# KiCad board poly_kb_molecule_16x5.kicad_pcb (continued)
## Routing (per net, layer and track width the routed paths; a pad name or vN(x,y) marks a point on that pad's centre or on a via; arc(x,y) is an arc through that point) (continued)
/Keyboard/sheet605ED2EB/RESET: length 2074.8
  Top w0.254: v1(82.22,9.16) 82.02,9.36 80.19,9.36 80.1,9.27 77.47,9.27 J3#17.5 ; v1(160.25,11) 160.67,10.57 v1(162.83,10.57) 163.26,10.14 168.18,10.14 168.48,10.44 168.58,10.44 168.63,10.49 169.21,10.49 170.18,9.53 ; J3#51.5 134.62,85.47 137.25,85.47 137.34,85.56 139.17,85.56 v1(139.37,85.36) ; v1(291.77,66.31) 291.57,66.51 289.74,66.51 289.65,66.42 287.02,66.42 J3#75.5 ; 284.48,9.53 283.51,10.49 282.93,10.49 282.88,10.44 282.78,10.44 282.48,10.14 277.56,10.14 v1(277.13,10.57) 274.97,10.57 v1(274.55,11) ; 17.78,66.67 16.81,67.64 16.23,67.64 16.18,67.59 16.08,67.59 15.78,67.29 10.86,67.29 v1(10.43,67.72) 8.27,67.72 v1(7.85,68.15) ; J3#39.5 210.82,66.42 213.45,66.42 213.54,66.51 215.37,66.51 v1(215.57,66.31) ; v1(26.9,30.05) 27.32,29.62 v1(29.48,29.62) 29.91,29.19 34.83,29.19 35.13,29.49 35.23,29.49 35.28,29.54 35.86,29.54 36.83,28.58 ; J3#68.5 172.72,85.47 175.35,85.47 175.44,85.56 177.27,85.56 v1(177.47,85.36) ; v1(274.55,87.2) 274.97,86.77 v1(277.13,86.77) 277.56,86.34 282.48,86.34 282.78,86.64 282.88,86.64 282.93,86.69 283.51,86.69 284.48,85.72 ; v1(196.52,47.26) 196.32,47.46 194.49,47.46 194.4,47.37 191.77,47.37 J3#24.5 ; J3#58.5 39.37,28.32 42,28.32 42.09,28.41 43.92,28.41 v1(44.12,28.21) ; J3#20.5 1.27,47.37 3.9,47.37 3.99,47.46 5.82,47.46 v1(6.02,47.26) ; J3#52.5 58.42,9.27 61.05,9.27 61.14,9.36 62.97,9.36 v1(63.17,9.16) ; 265.43,85.72 264.46,86.69 263.88,86.69 263.83,86.64 263.73,86.64 263.43,86.34 258.51,86.34 v1(258.08,86.77) 255.92,86.77 v1(255.5,87.2) ; v1(101.27,66.31) 101.07,66.51 99.24,66.51 99.15,66.42 96.52,66.42 J3#74.5 ; v1(122.15,11) 122.57,10.57 v1(124.73,10.57) 125.16,10.14 130.08,10.14 130.38,10.44 130.48,10.44 130.53,10.49 131.11,10.49 132.08,9.53 ; v1(65,30.05) 65.42,29.62 v1(67.58,29.62) 68.01,29.19 72.93,29.19 73.23,29.49 73.33,29.49 73.38,29.54 73.96,29.54 74.93,28.58 ; v1(6.02,28.21) 5.82,28.41 3.99,28.41 3.9,28.32 1.27,28.32 J3#57.5 ; J3#4.5 287.02,28.32 289.65,28.32 289.74,28.41 291.57,28.41 v1(291.77,28.21) ; v1(141.2,30.05) 141.62,29.62 v1(143.78,29.62) 144.21,29.19 149.13,29.19 149.43,29.49 149.53,29.49 149.58,29.54 150.16,29.54 151.13,28.58 ; 227.33,28.58 226.36,29.54 225.78,29.54 225.73,29.49 225.63,29.49 225.33,29.19 220.41,29.19 v1(219.98,29.62) 217.82,29.62 v1(217.4,30.05) ; J3#72.5 248.92,66.42 251.55,66.42 251.64,66.51 253.47,66.51 v1(253.67,66.31) ; 189.23,9.53 188.26,10.49 187.68,10.49 187.63,10.44 187.53,10.44 187.23,10.14 182.31,10.14 v1(181.88,10.57) 179.72,10.57 v1(179.3,11) ; v1(25.07,85.36) 24.87,85.56 23.04,85.56 22.95,85.47 20.32,85.47 J3#40.5 ; v1(198.35,30.05) 198.77,29.62 v1(200.93,29.62) 201.36,29.19 206.28,29.19 206.58,29.49 206.68,29.49 206.73,29.54 207.31,29.54 208.28,28.58 ; v1(160.25,68.15) 160.67,67.72 v1(162.83,67.72) 163.26,67.29 168.18,67.29 168.48,67.59 168.58,67.59 168.63,67.64 169.21,67.64 170.18,66.67 ; v1(84.05,49.1) 84.47,48.67 v1(86.63,48.67) 87.06,48.24 91.98,48.24 92.28,48.54 92.38,48.54 92.43,48.59 93.01,48.59 93.98,47.62 ; v1(272.72,66.31) 272.52,66.51 270.69,66.51 270.6,66.42 267.97,66.42 J3#60.5 ; v1(120.32,66.31) 120.12,66.51 118.29,66.51 118.2,66.42 115.57,66.42 J3#2.5 ; J3#62.5 287.02,85.47 289.65,85.47 289.74,85.56 291.57,85.56 v1(291.77,85.36) ; v1(120.32,9.16) 120.12,9.36 118.29,9.36 118.2,9.27 115.57,9.27 J3#25.5 ; 208.28,66.67 207.31,67.64 206.73,67.64 206.68,67.59 206.58,67.59 206.28,67.29 201.36,67.29 v1(200.93,67.72) 198.77,67.72 v1(198.35,68.15) ; J3#29.5 1.27,9.27 3.9,9.27 3.99,9.36 5.82,9.36 v1(6.02,9.16) ; J3#7.5 115.57,47.37 118.2,47.37 118.29,47.46 120.12,47.46 v1(120.32,47.26) ; 132.08,85.72 131.11,86.69 130.53,86.69 130.48,86.64 130.38,86.64 130.08,86.34 125.16,86.34 v1(124.73,86.77) 122.57,86.77 v1(122.15,87.2) ; J3#63.5 191.77,28.32 194.4,28.32 194.49,28.41 196.32,28.41 v1(196.52,28.21) ; 113.03,85.72 112.06,86.69 111.48,86.69 111.43,86.64 111.33,86.64 111.03,86.34 106.11,86.34 v1(105.68,86.77) 103.52,86.77 v1(103.1,87.2) ; v1(44.12,9.16) 43.92,9.36 42.09,9.36 42,9.27 39.37,9.27 J3#9.5 ; 246.38,28.58 245.41,29.54 244.83,29.54 244.78,29.49 244.68,29.49 244.38,29.19 239.46,29.19 v1(239.03,29.62) 236.87,29.62 v1(236.45,30.05) ; v1(25.07,28.21) 24.87,28.41 23.04,28.41 22.95,28.32 20.32,28.32 J3#28.5 ; 170.18,85.72 169.21,86.69 168.63,86.69 168.58,86.64 168.48,86.64 168.18,86.34 163.26,86.34 v1(162.83,86.77) 160.67,86.77 v1(160.25,87.2) ; J3#42.5 96.52,28.32 99.15,28.32 99.24,28.41 101.07,28.41 v1(101.27,28.21) ; J3#16.5 191.77,9.27 194.4,9.27 194.49,9.36 196.32,9.36 v1(196.52,9.16) ; v1(291.77,47.26) 291.57,47.46 289.74,47.46 289.65,47.37 287.02,47.37 J3#33.5 ; 170.18,47.62 169.21,48.59 168.63,48.59 168.58,48.54 168.48,48.54 168.18,48.24 163.26,48.24 v1(162.83,48.67) 160.67,48.67 v1(160.25,49.1) ; 227.33,9.53 226.36,10.49 225.78,10.49 225.73,10.44 225.63,10.44 225.33,10.14 220.41,10.14 v1(219.98,10.57) 217.82,10.57 v1(217.4,11) ; v1(63.17,66.31) 62.97,66.51 61.14,66.51 61.05,66.42 58.42,66.42 J3#21.5 ; v1(45.95,30.05) 46.37,29.62 v1(48.53,29.62) 48.96,29.19 53.88,29.19 54.18,29.49 54.28,29.49 54.33,29.54 54.91,29.54 55.88,28.58 ; v1(120.32,85.36) 120.12,85.56 118.29,85.56 118.2,85.47 115.57,85.47 J3#65.5 ; v1(84.05,87.2) 84.47,86.77 v1(86.63,86.77) 87.06,86.34 91.98,86.34 92.28,86.64 92.38,86.64 92.43,86.69 93.01,86.69 93.98,85.72 ; v1(274.55,30.05) 274.97,29.62 v1(277.13,29.62) 277.56,29.19 282.48,29.19 282.78,29.49 282.88,29.49 282.93,29.54 283.51,29.54 284.48,28.58 ; v1(179.3,49.1) 179.72,48.67 v1(181.88,48.67) 182.31,48.24 187.23,48.24 187.53,48.54 187.63,48.54 187.68,48.59 188.26,48.59 189.23,47.62 ; 189.23,85.72 188.26,86.69 187.68,86.69 187.63,86.64 187.53,86.64 187.23,86.34 182.31,86.34 v1(181.88,86.77) 179.72,86.77 v1(179.3,87.2) ; v1(198.35,87.2) 198.77,86.77 v1(200.93,86.77) 201.36,86.34 206.28,86.34 206.58,86.64 206.68,86.64 206.73,86.69 207.31,86.69 208.28,85.72 ; v1(82.22,85.36) 82.02,85.56 80.19,85.56 80.1,85.47 77.47,85.47 J3#32.5 ; J3#47.5 210.82,47.37 213.45,47.37 213.54,47.46 215.37,47.46 v1(215.57,47.26) ; v1(45.95,68.15) 46.37,67.72 v1(48.53,67.72) 48.96,67.29 53.88,67.29 54.18,67.59 54.28,67.59 54.33,67.64 54.91,67.64 55.88,66.67 ; v1(101.27,47.26) 101.07,47.46 99.24,47.46 99.15,47.37 96.52,47.37 J3#55.5 ; v1(293.6,68.15) 294.02,67.72 v1(296.18,67.72) 296.61,67.29 301.53,67.29 301.83,67.59 301.93,67.59 301.98,67.64 302.56,67.64 303.53,66.67 ; J3#80.5 248.92,47.37 251.55,47.37 251.64,47.46 253.47,47.46 v1(253.67,47.26) ; v1(293.6,30.05) 294.02,29.62 v1(296.18,29.62) 296.61,29.19 301.53,29.19 301.83,29.49 301.93,29.49 301.98,29.54 302.56,29.54 303.53,28.58 ; J3#18.5 287.02,9.27 289.65,9.27 289.74,9.36 291.57,9.36 v1(291.77,9.16) ; v1(7.85,11) 8.27,10.57 v1(10.43,10.57) 10.86,10.14 15.78,10.14 16.08,10.44 16.18,10.44 16.23,10.49 16.81,10.49 17.78,9.53 ; v1(122.15,30.05) 122.57,29.62 v1(124.73,29.62) 125.16,29.19 130.08,29.19 130.38,29.49 130.48,29.49 130.53,29.54 131.11,29.54 132.08,28.58 ; v1(63.17,85.36) 62.97,85.56 61.14,85.56 61.05,85.47 58.42,85.47 J3#45.5 ; J3#8.5 153.67,28.32 156.3,28.32 156.39,28.41 158.22,28.41 v1(158.42,28.21) ; v1(101.27,85.36) 101.07,85.56 99.24,85.56 99.15,85.47 96.52,85.47 J3#73.5 ; v1(274.55,68.15) 274.97,67.72 v1(277.13,67.72) 277.56,67.29 282.48,67.29 282.78,67.59 282.88,67.59 282.93,67.64 283.51,67.64 284.48,66.67 ; J3#37.5 267.97,28.32 270.6,28.32 270.69,28.41 272.52,28.41 v1(272.72,28.21) ; J3#14.5 210.82,28.32 213.45,28.32 213.54,28.41 215.37,28.41 v1(215.57,28.21) ; J3#38.5 229.87,9.27 232.5,9.27 232.59,9.36 234.42,9.36 v1(234.62,9.16) ; J3#31.5 1.27,66.42 3.9,66.42 3.99,66.51 5.82,66.51 v1(6.02,66.31) ; v1(255.5,49.1) 255.92,48.67 v1(258.08,48.67) 258.51,48.24 263.43,48.24 263.73,48.54 263.83,48.54 263.88,48.59 264.46,48.59 265.43,47.62 ; 208.28,47.62 207.31,48.59 206.73,48.59 206.68,48.54 206.58,48.54 206.28,48.24 201.36,48.24 v1(200.93,48.67) 198.77,48.67 v1(198.35,49.1) ; v1(103.1,30.05) 103.52,29.62 v1(105.68,29.62) 106.11,29.19 111.03,29.19 111.33,29.49 111.43,29.49 111.48,29.54 112.06,29.54 113.03,28.58 ; v1(158.42,9.16) 158.22,9.36 156.39,9.36 156.3,9.27 153.67,9.27 J3#71.5 ; J3#19.5 229.87,66.42 232.5,66.42 232.59,66.51 234.42,66.51 v1(234.62,66.31) ; J3#48.5 248.92,28.32 251.55,28.32 251.64,28.41 253.47,28.41 v1(253.67,28.21) ; 17.78,47.62 16.81,48.59 16.23,48.59 16.18,48.54 16.08,48.54 15.78,48.24 10.86,48.24 v1(10.43,48.67) 8.27,48.67 v1(7.85,49.1) ; J3#27.5 77.47,66.42 80.1,66.42 80.19,66.51 82.02,66.51 v1(82.22,66.31) ; v1(103.1,11) 103.52,10.57 v1(105.68,10.57) 106.11,10.14 111.03,10.14 111.33,10.44 111.43,10.44 111.48,10.49 112.06,10.49 113.03,9.53 ; v1(101.27,9.16) 101.07,9.36 99.24,9.36 99.15,9.27 96.52,9.27 J3#67.5 ; 132.08,66.67 131.11,67.64 130.53,67.64 130.48,67.59 130.38,67.59 130.08,67.29 125.16,67.29 v1(124.73,67.72) 122.57,67.72 v1(122.15,68.15) ; J3#3.5 172.72,9.27 175.35,9.27 175.44,9.36 177.27,9.36 v1(177.47,9.16) ; v1(236.45,49.1) 236.87,48.67 v1(239.03,48.67) 239.46,48.24 244.38,48.24 244.68,48.54 244.78,48.54 244.83,48.59 245.41,48.59 246.38,47.62 ; 227.33,85.72 226.36,86.69 225.78,86.69 225.73,86.64 225.63,86.64 225.33,86.34 220.41,86.34 v1(219.98,86.77) 217.82,86.77 v1(217.4,87.2) ; v1(26.9,49.1) 27.32,48.67 v1(29.48,48.67) 29.91,48.24 34.83,48.24 35.13,48.54 35.23,48.54 35.28,48.59 35.86,48.59 36.83,47.62 ; v1(198.35,11) 198.77,10.57 v1(200.93,10.57) 201.36,10.14 206.28,10.14 206.58,10.44 206.68,10.44 206.73,10.49 207.31,10.49 208.28,9.53 ; J3#26.5 172.72,66.42 175.35,66.42 175.44,66.51 177.27,66.51 v1(177.47,66.31) ; v1(293.6,11) 294.02,10.57 v1(296.18,10.57) 296.61,10.14 301.53,10.14 301.83,10.44 301.93,10.44 301.98,10.49 302.56,10.49 303.53,9.53 ; v1(63.17,28.21) 62.97,28.41 61.14,28.41 61.05,28.32 58.42,28.32 J3#78.5 ; v1(139.37,66.31) 139.17,66.51 137.34,66.51 137.25,66.42 134.62,66.42 J3#41.5 ; v1(65,49.1) 65.42,48.67 v1(67.58,48.67) 68.01,48.24 72.93,48.24 73.23,48.54 73.33,48.54 73.38,48.59 73.96,48.59 74.93,47.62 ; 36.83,66.67 35.86,67.64 35.28,67.64 35.23,67.59 35.13,67.59 34.83,67.29 29.91,67.29 v1(29.48,67.72) 27.32,67.72 v1(26.9,68.15) ; v1(274.55,49.1) 274.97,48.67 v1(277.13,48.67) 277.56,48.24 282.48,48.24 282.78,48.54 282.88,48.54 282.93,48.59 283.51,48.59 284.48,47.62 ; v1(177.47,28.21) 177.27,28.41 175.44,28.41 175.35,28.32 172.72,28.32 J3#35.5 ; 265.43,28.58 264.46,29.54 263.88,29.54 263.83,29.49 263.73,29.49 263.43,29.19 258.51,29.19 v1(258.08,29.62) 255.92,29.62 v1(255.5,30.05) ; J3#49.5 115.57,28.32 118.2,28.32 118.29,28.41 120.12,28.41 v1(120.32,28.21) ; 113.03,66.67 112.06,67.64 111.48,67.64 111.43,67.59 111.33,67.59 111.03,67.29 106.11,67.29 v1(105.68,67.72) 103.52,67.72 v1(103.1,68.15) ; v1(234.62,47.26) 234.42,47.46 232.59,47.46 232.5,47.37 229.87,47.37 J3#56.5 ; v1(65,68.15) 65.42,67.72 v1(67.58,67.72) 68.01,67.29 72.93,67.29 73.23,67.59 73.33,67.59 73.38,67.64 73.96,67.64 74.93,66.67 ; v1(141.2,68.15) 141.62,67.72 v1(143.78,67.72) 144.21,67.29 149.13,67.29 149.43,67.59 149.53,67.59 149.58,67.64 150.16,67.64 151.13,66.67 ; 93.98,66.67 93.01,67.64 92.43,67.64 92.38,67.59 92.28,67.59 91.98,67.29 87.06,67.29 v1(86.63,67.72) 84.47,67.72 v1(84.05,68.15) ; v1(217.4,49.1) 217.82,48.67 v1(219.98,48.67) 220.41,48.24 225.33,48.24 225.63,48.54 225.73,48.54 225.78,48.59 226.36,48.59 227.33,47.62 ; v1(293.6,49.1) 294.02,48.67 v1(296.18,48.67) 296.61,48.24 301.53,48.24 301.83,48.54 301.93,48.54 301.98,48.59 302.56,48.59 303.53,47.62 ; v1(160.25,30.05) 160.67,29.62 v1(162.83,29.62) 163.26,29.19 168.18,29.19 168.48,29.49 168.58,29.49 168.63,29.54 169.21,29.54 170.18,28.58 ; 151.13,85.72 150.16,86.69 149.58,86.69 149.53,86.64 149.43,86.64 149.13,86.34 144.21,86.34 v1(143.78,86.77) 141.62,86.77 v1(141.2,87.2) ; 246.38,66.67 245.41,67.64 244.83,67.64 244.78,67.59 244.68,67.59 244.38,67.29 239.46,67.29 v1(239.03,67.72) 236.87,67.72 v1(236.45,68.15) ; 189.23,28.58 188.26,29.54 187.68,29.54 187.63,29.49 187.53,29.49 187.23,29.19 182.31,29.19 v1(181.88,29.62) 179.72,29.62 v1(179.3,30.05) ; v1(253.67,9.16) 253.47,9.36 251.64,9.36 251.55,9.27 248.92,9.27 J3#5.5 ; v1(45.95,87.2) 46.37,86.77 v1(48.53,86.77) 48.96,86.34 53.88,86.34 54.18,86.64 54.28,86.64 54.33,86.69 54.91,86.69 55.88,85.72 ; v1(7.85,30.05) 8.27,29.62 v1(10.43,29.62) 10.86,29.19 15.78,29.19 16.08,29.49 16.18,29.49 16.23,29.54 16.81,29.54 17.78,28.58 ; 227.33,66.67 226.36,67.64 225.78,67.64 225.73,67.59 225.63,67.59 225.33,67.29 220.41,67.29 v1(219.98,67.72) 217.82,67.72 v1(217.4,68.15) ; J3#70.5 210.82,85.47 213.45,85.47 213.54,85.56 215.37,85.56 v1(215.57,85.36) ; v1(6.02,85.36) 5.82,85.56 3.99,85.56 3.9,85.47 1.27,85.47 J3.5 ; v1(141.2,49.1) 141.62,48.67 v1(143.78,48.67) 144.21,48.24 149.13,48.24 149.43,48.54 149.53,48.54 149.58,48.59 150.16,48.59 151.13,47.62 ; J3#13.5 229.87,85.47 232.5,85.47 232.59,85.56 234.42,85.56 v1(234.62,85.36) ; 265.43,66.67 264.46,67.64 263.88,67.64 263.83,67.59 263.73,67.59 263.43,67.29 258.51,67.29 v1(258.08,67.72) 255.92,67.72 v1(255.5,68.15) ; v1(196.52,66.31) 196.32,66.51 194.49,66.51 194.4,66.42 191.77,66.42 J3#76.5 ; v1(65,87.2) 65.42,86.77 v1(67.58,86.77) 68.01,86.34 72.93,86.34 73.23,86.64 73.33,86.64 73.38,86.69 73.96,86.69 74.93,85.72 ; J3#10.5 267.97,9.27 270.6,9.27 270.69,9.36 272.52,9.36 v1(272.72,9.16) ; J3#79.5 77.47,47.37 80.1,47.37 80.19,47.46 82.02,47.46 v1(82.22,47.26) ; v1(158.42,85.36) 158.22,85.56 156.39,85.56 156.3,85.47 153.67,85.47 J3#23.5 ; J3#66.5 134.62,9.27 137.25,9.27 137.34,9.36 139.17,9.36 v1(139.37,9.16) ; v1(215.57,9.16) 215.37,9.36 213.54,9.36 213.45,9.27 210.82,9.27 J3#54.5 ; J3#15.5 267.97,85.47 270.6,85.47 270.69,85.56 272.52,85.56 v1(272.72,85.36) ; J3#30.5 20.32,66.42 22.95,66.42 23.04,66.51 24.87,66.51 v1(25.07,66.31) ; v1(26.9,11) 27.32,10.57 v1(29.48,10.57) 29.91,10.14 34.83,10.14 35.13,10.44 35.23,10.44 35.28,10.49 35.86,10.49 36.83,9.53 ; 132.08,47.62 131.11,48.59 130.53,48.59 130.48,48.54 130.38,48.54 130.08,48.24 125.16,48.24 v1(124.73,48.67) 122.57,48.67 v1(122.15,49.1) ; 113.03,47.62 112.06,48.59 111.48,48.59 111.43,48.54 111.33,48.54 111.03,48.24 106.11,48.24 v1(105.68,48.67) 103.52,48.67 v1(103.1,49.1) ; v1(158.42,66.31) 158.22,66.51 156.39,66.51 156.3,66.42 153.67,66.42 J3#43.5 ; v1(82.22,28.21) 82.02,28.41 80.19,28.41 80.1,28.32 77.47,28.32 J3#12.5 ; 17.78,85.72 16.81,86.69 16.23,86.69 16.18,86.64 16.08,86.64 15.78,86.34 10.86,86.34 v1(10.43,86.77) 8.27,86.77 v1(7.85,87.2) ; 93.98,28.58 93.01,29.54 92.43,29.54 92.38,29.49 92.28,29.49 91.98,29.19 87.06,29.19 v1(86.63,29.62) 84.47,29.62 v1(84.05,30.05) ; v1(44.12,85.36) 43.92,85.56 42.09,85.56 42,85.47 39.37,85.47 J3#77.5 ; 246.38,85.72 245.41,86.69 244.83,86.69 244.78,86.64 244.68,86.64 244.38,86.34 239.46,86.34 v1(239.03,86.77) 236.87,86.77 v1(236.45,87.2) ; J3#53.5 191.77,85.47 194.4,85.47 194.49,85.56 196.32,85.56 v1(196.52,85.36) ; v1(26.9,87.2) 27.32,86.77 v1(29.48,86.77) 29.91,86.34 34.83,86.34 35.13,86.64 35.23,86.64 35.28,86.69 35.86,86.69 36.83,85.72 ; v1(236.45,11) 236.87,10.57 v1(239.03,10.57) 239.46,10.14 244.38,10.14 244.68,10.44 244.78,10.44 244.83,10.49 245.41,10.49 246.38,9.53 ; v1(44.12,47.26) 43.92,47.46 42.09,47.46 42,47.37 39.37,47.37 J3#22.5 ; v1(141.2,11) 141.62,10.57 v1(143.78,10.57) 144.21,10.14 149.13,10.14 149.43,10.44 149.53,10.44 149.58,10.49 150.16,10.49 151.13,9.53 ; J3#44.5 229.87,28.32 232.5,28.32 232.59,28.41 234.42,28.41 v1(234.62,28.21) ; 265.43,9.53 264.46,10.49 263.88,10.49 263.83,10.44 263.73,10.44 263.43,10.14 258.51,10.14 v1(258.08,10.57) 255.92,10.57 v1(255.5,11) ; 93.98,9.53 93.01,10.49 92.43,10.49 92.38,10.44 92.28,10.44 91.98,10.14 87.06,10.14 v1(86.63,10.57) 84.47,10.57 v1(84.05,11) ; J3#11.5 134.62,28.32 137.25,28.32 137.34,28.41 139.17,28.41 v1(139.37,28.21) ; v1(139.37,47.26) 139.17,47.46 137.34,47.46 137.25,47.37 134.62,47.37 J3#69.5 ; J3#6.5 20.32,47.37 22.95,47.37 23.04,47.46 24.87,47.46 v1(25.07,47.26) ; J3#50.5 20.32,9.27 22.95,9.27 23.04,9.36 24.87,9.36 v1(25.07,9.16) ; v1(44.12,66.31) 43.92,66.51 42.09,66.51 42,66.42 39.37,66.42 J3#59.5 ; 55.88,9.53 54.91,10.49 54.33,10.49 54.28,10.44 54.18,10.44 53.88,10.14 48.96,10.14 v1(48.53,10.57) 46.37,10.57 v1(45.95,11) ; v1(177.47,47.26) 177.27,47.46 175.44,47.46 175.35,47.37 172.72,47.37 J3#36.5 ; v1(253.67,85.36) 253.47,85.56 251.64,85.56 251.55,85.47 248.92,85.47 J3#61.5 ; 189.23,66.67 188.26,67.64 187.68,67.64 187.63,67.59 187.53,67.59 187.23,67.29 182.31,67.29 v1(181.88,67.72) 179.72,67.72 v1(179.3,68.15) ; v1(65,11) 65.42,10.57 v1(67.58,10.57) 68.01,10.14 72.93,10.14 73.23,10.44 73.33,10.44 73.38,10.49 73.96,10.49 74.93,9.53 ; J3#34.5 267.97,47.37 270.6,47.37 270.69,47.46 272.52,47.46 v1(272.72,47.26) ; 303.53,85.72 302.56,86.69 301.98,86.69 301.93,86.64 301.83,86.64 301.53,86.34 296.61,86.34 v1(296.18,86.77) 294.02,86.77 v1(293.6,87.2) ; v1(158.42,47.26) 158.22,47.46 156.39,47.46 156.3,47.37 153.67,47.37 J3#64.5 ; v1(45.95,49.1) 46.37,48.67 v1(48.53,48.67) 48.96,48.24 53.88,48.24 54.18,48.54 54.28,48.54 54.33,48.59 54.91,48.59 55.88,47.62 ; J3#46.5 58.42,47.37 61.05,47.37 61.14,47.46 62.97,47.46 v1(63.17,47.26)
  Top w1.5: J4#43.5 J3#53.5 ; J4#64.5 J3#4.5 ; J4#15.5 J3#54.5 ; J4#65.5 J3#63.5 ; J4#26.5 J3#32.5 ; J4#41.5 J3#18.5 ; J4#53.5 J3#45.5 ; J4#47.5 J3#42.5 ; J4#60.5 J3#15.5 ; J4#77.5 J3#71.5 ; J4#51.5 J3#10.5 ; J4#42.5 J3#21.5 ; J4#68.5 J3#35.5 ; J4#7.5 J3#24.5 ; J4#37.5 J3#75.5 ; J4#16.5 J3#2.5 ; J4#13.5 J3#44.5 ; J4#49.5 J3#70.5 ; J4#18.5 J3#34.5 ; J4#66.5 J3#61.5 ; J4#33.5 J3#7.5 ; J3#8.5 J4#36.5 ; J4#57.5 J3#74.5 ; J4#40.5 J3#9.5 ; J4#28.5 J3#3.5 ; J4#22.5 J3#67.5 ; J4#69.5 J3#38.5 ; J4#9.5 J3#39.5 ; J4#46.5 J3#76.5 ; J4#76.5 J3#78.5 ; J4#54.5 J3#72.5 ; J4.5 J3#40.5 ; J4#67.5 J3#58.5 ; J4#12.5 J3#66.5 ; J4#73.5 J3#52.5 ; J4#8.5 J3#46.5 ; J4#10.5 J3#49.5 ; J4#63.5 J3#55.5 ; J4#29.5 J3#59.5 ; J4#71.5 J3#33.5 ; J4#45.5 J3#51.5 ; J4#59.5 J3#13.5 ; J4#27.5 J3#62.5 ; J4#11.5 J3#27.5 ; J4#17.5 J3#50.5 ; J4#20.5 J3#41.5 ; J4#79.5 J3#77.5 ; J3#64.5 J4#61.5 ; J4#14.5 J3#43.5 ; J4#78.5 J3#26.5 ; J4#52.5 J3#22.5 ; J4#38.5 J3#5.5 ; J4#21.5 J3#6.5 ; J4#72.5 J3#30.5 ; J4#24.5 J3#56.5 ; J4#3.5 J3#36.5 ; J4#35.5 J3#14.5 ; J4#58.5 J3#23.5 ; J4#23.5 J3#69.5 ; J4#56.5 J3#12.5 ; J4#39.5 J3#60.5 ; J4#50.5 J3#47.5 ; J4#25.5 J3#17.5 ; J4#74.5 J3#48.5 ; J4#6.5 J3#80.5 ; J4#30.5 J3#73.5 ; J4#48.5 J3#79.5 ; J4#70.5 J3#28.5 ; J4#62.5 J3#16.5 ; J4#34.5 J3#65.5 ; J4#55.5 J3#68.5 ; J4#4.5 J3#19.5 ; J4#5.5 J3#11.5 ; J4#32.5 J3#37.5 ; J4#44.5 J3#25.5
  Bottom w0.254: v1(274.55,30.05) 274.55,29.8 272.95,28.21 v1(272.72,28.21) ; v1(160.25,49.1) 160.25,48.85 158.65,47.26 v1(158.42,47.26) ; v1(219.98,48.67) 219.47,49.18 219.47,51.19 220.32,52.05 J1#40.11 ; v1(196.52,66.31) 196.75,66.31 198.35,67.9 v1(198.35,68.15) ; v1(239.03,10.57) 238.52,11.08 238.52,13.09 239.38,13.95 J1#73.11 ; v1(198.35,11) 198.35,10.75 196.75,9.16 v1(196.52,9.16) ; J1#48.11 239.38,52.05 238.52,51.19 238.52,49.18 v1(239.03,48.67) ; J1#10.11 201.28,13.95 200.42,13.09 200.42,11.08 v1(200.93,10.57) ; v1(6.02,28.21) 6.25,28.21 7.85,29.8 v1(7.85,30.05) ; v1(277.13,67.72) 276.62,68.23 276.62,70.24 277.48,71.1 J1#34.11 ; v1(274.55,87.2) 274.55,86.95 272.95,85.36 v1(272.72,85.36) ; v1(198.35,30.05) 198.35,29.8 196.75,28.21 v1(196.52,28.21) ; v1(219.98,29.62) 219.47,30.13 219.47,32.14 220.32,33 J1#50.11 ; v1(101.27,66.31) 101.5,66.31 103.1,67.9 v1(103.1,68.15) ; J1#20.11 29.83,13.95 28.97,13.09 28.97,11.08 v1(29.48,10.57) ; v1(293.6,30.05) 293.6,29.8 292,28.21 v1(291.77,28.21) ; v1(236.45,11) 236.45,10.75 234.85,9.16 v1(234.62,9.16) ; v1(103.1,30.05) 103.1,29.8 101.5,28.21 v1(101.27,28.21) ; v1(219.98,10.57) 219.47,11.08 219.47,13.09 220.32,13.95 J1#21.11 ; J1#72.11 220.32,71.1 219.47,70.24 219.47,68.23 v1(219.98,67.72) ; v1(215.57,9.16) 215.8,9.16 217.4,10.75 v1(217.4,11) ; v1(82.22,66.31) 82.45,66.31 84.05,67.9 v1(84.05,68.15) ; v1(277.13,29.62) 276.62,30.13 276.62,32.14 277.48,33 J1#2.11 ; v1(274.55,11) 274.55,10.75 272.95,9.16 v1(272.72,9.16) ; v1(82.22,85.36) 82.45,85.36 84.05,86.95 v1(84.05,87.2) ; v1(162.83,29.62) 162.32,30.13 162.32,32.14 163.18,33 J1#16.11 ; v1(291.77,85.36) 292,85.36 293.6,86.95 v1(293.6,87.2) ; v1(86.63,29.62) 86.12,30.13 86.12,32.14 86.97,33 J1#74.11 ; J1#54.11 258.43,90.15 257.57,89.29 257.57,87.28 v1(258.08,86.77) ; J1#5.11 48.88,71.1 48.02,70.24 48.02,68.23 v1(48.53,67.72) ; v1(200.93,67.72) 200.42,68.23 200.42,70.24 201.28,71.1 J1#14.11 ; v1(296.18,48.67) 295.67,49.18 295.67,51.19 296.52,52.05 J1#45.11 ; v1(198.35,49.1) 198.35,48.85 196.75,47.26 v1(196.52,47.26) ; v1(65,11) 65,10.75 63.4,9.16 v1(63.17,9.16) ; v1(124.73,86.77) 124.22,87.28 124.22,89.29 125.07,90.15 J1#53.11 ; v1(234.62,66.31) 234.85,66.31 236.45,67.9 v1(236.45,68.15) ; v1(122.15,30.05) 122.15,29.8 120.55,28.21 v1(120.32,28.21) ; J1#60.11 239.38,33 238.52,32.14 238.52,30.13 v1(239.03,29.62) ; v1(10.43,86.77) 9.92,87.28 9.92,89.29 10.77,90.15 J1.11 ; v1(84.05,11) 84.05,10.75 82.45,9.16 v1(82.22,9.16) ; v1(29.48,29.62) 28.97,30.13 28.97,32.14 29.83,33 J1#3.11 ; J1#31.11 201.28,90.15 200.42,89.29 200.42,87.28 v1(200.93,86.77) ; J1#51.11 86.97,13.95 86.12,13.09 86.12,11.08 v1(86.63,10.57) ; v1(103.1,87.2) 103.1,86.95 101.5,85.36 v1(101.27,85.36) ; v1(162.83,67.72) 162.32,68.23 162.32,70.24 163.18,71.1 J1#30.11 ; v1(160.25,11) 160.25,10.75 158.65,9.16 v1(158.42,9.16) ; v1(141.2,87.2) 141.2,86.95 139.6,85.36 v1(139.37,85.36) ; J1#80.11 106.03,33 105.17,32.14 105.17,30.13 v1(105.68,29.62) ; v1(143.78,86.77) 143.27,87.28 143.27,89.29 144.12,90.15 J1#63.11 ; v1(65,68.15) 65,67.9 63.4,66.31 v1(63.17,66.31) ; v1(45.95,87.2) 45.95,86.95 44.35,85.36 v1(44.12,85.36) ; v1(277.13,86.77) 276.62,87.28 276.62,89.29 277.48,90.15 J1#29.11 ; v1(82.22,47.26) 82.45,47.26 84.05,48.85 v1(84.05,49.1) ; v1(291.77,9.16) 292,9.16 293.6,10.75 v1(293.6,11) ; v1(26.9,68.15) 26.9,67.9 25.3,66.31 v1(25.07,66.31) ; v1(215.57,28.21) 215.8,28.21 217.4,29.8 v1(217.4,30.05) ; v1(198.35,87.2) 198.35,86.95 196.75,85.36 v1(196.52,85.36) ; v1(258.08,29.62) 257.57,30.13 257.57,32.14 258.43,33 J1#32.11 ; v1(234.62,28.21) 234.85,28.21 236.45,29.8 v1(236.45,30.05) ; J1#28.11 144.12,71.1 143.27,70.24 143.27,68.23 v1(143.78,67.72) ; J1#69.11 48.88,33 48.02,32.14 48.02,30.13 v1(48.53,29.62) ; v1(141.2,68.15) 141.2,67.9 139.6,66.31 v1(139.37,66.31) ; v1(103.1,49.1) 103.1,48.85 101.5,47.26 v1(101.27,47.26) ; J1#76.11 106.03,90.15 105.17,89.29 105.17,87.28 v1(105.68,86.77) ; v1(236.45,49.1) 236.45,48.85 234.85,47.26 v1(234.62,47.26) ; v1(291.77,66.31) 292,66.31 293.6,67.9 v1(293.6,68.15) ; v1(160.25,68.15) 160.25,67.9 158.65,66.31 v1(158.42,66.31) ; v1(274.55,49.1) 274.55,48.85 272.95,47.26 v1(272.72,47.26) ; J1#7.11 10.77,33 9.92,32.14 9.92,30.13 v1(10.43,29.62) ; J1#79.11 296.52,90.15 295.67,89.29 295.67,87.28 v1(296.18,86.77) ; J1#27.11 163.18,52.05 162.32,51.19 162.32,49.18 v1(162.83,48.67) ; v1(296.18,10.57) 295.67,11.08 295.67,13.09 296.52,13.95 J1#44.11 ; v1(143.78,29.62) 143.27,30.13 143.27,32.14 144.12,33 J1#56.11 ; J1#58.11 29.83,71.1 28.97,70.24 28.97,68.23 v1(29.48,67.72) ; J1#22.11 86.97,90.15 86.12,89.29 86.12,87.28 v1(86.63,86.77) ; J1#19.11 182.22,33 181.37,32.14 181.37,30.13 v1(181.88,29.62) ; v1(181.88,67.72) 181.37,68.23 181.37,70.24 182.22,71.1 J1#62.11 ; J1#8.11 106.03,52.05 105.17,51.19 105.17,49.18 v1(105.68,48.67) ; J1#17.11 48.88,52.05 48.02,51.19 48.02,49.18 v1(48.53,48.67) ; v1(158.42,28.21) 158.65,28.21 160.25,29.8 v1(160.25,30.05) ; v1(44.12,66.31) 44.35,66.31 45.95,67.9 v1(45.95,68.15) ; J1#71.11 86.97,71.1 86.12,70.24 86.12,68.23 v1(86.63,67.72) ; J1#26.11 201.28,33 200.42,32.14 200.42,30.13 v1(200.93,29.62) ; v1(296.18,67.72) 295.67,68.23 295.67,70.24 296.52,71.1 J1#52.11 ; v1(44.12,28.21) 44.35,28.21 45.95,29.8 v1(45.95,30.05) ; v1(86.63,48.67) 86.12,49.18 86.12,51.19 86.97,52.05 J1#38.11 ; J1#13.11 48.88,90.15 48.02,89.29 48.02,87.28 v1(48.53,86.77) ; v1(105.68,67.72) 105.17,68.23 105.17,70.24 106.03,71.1 J1#33.11 ; v1(143.78,10.57) 143.27,11.08 143.27,13.09 144.12,13.95 J1#23.11 ; v1(253.67,28.21) 253.9,28.21 255.5,29.8 v1(255.5,30.05) ; J1#78.11 277.48,52.05 276.62,51.19 276.62,49.18 v1(277.13,48.67) ; v1(141.2,49.1) 141.2,48.85 139.6,47.26 v1(139.37,47.26) ; J1#35.11 67.92,90.15 67.07,89.29 67.07,87.28 v1(67.58,86.77) ; v1(124.73,67.72) 124.22,68.23 124.22,70.24 125.07,71.1 J1#37.11 ; J1#61.11 239.38,90.15 238.52,89.29 238.52,87.28 v1(239.03,86.77) ; v1(215.57,85.36) 215.8,85.36 217.4,86.95 v1(217.4,87.2) ; v1(253.67,47.26) 253.9,47.26 255.5,48.85 v1(255.5,49.1) ; v1(122.15,11) 122.15,10.75 120.55,9.16 v1(120.32,9.16) ; J1#75.11 220.32,90.15 219.47,89.29 219.47,87.28 v1(219.98,86.77) ; v1(291.77,47.26) 292,47.26 293.6,48.85 v1(293.6,49.1) ; J1#9.11 258.43,71.1 257.57,70.24 257.57,68.23 v1(258.08,67.72) ; v1(103.1,11) 103.1,10.75 101.5,9.16 v1(101.27,9.16) ; v1(141.2,30.05) 141.2,29.8 139.6,28.21 v1(139.37,28.21) ; v1(65,30.05) 65,29.8 63.4,28.21 v1(63.17,28.21) ; v1(7.85,11) 7.85,10.75 6.25,9.16 v1(6.02,9.16) ; v1(67.58,29.62) 67.07,30.13 67.07,32.14 67.92,33 J1#4.11 ; v1(65,49.1) 65,48.85 63.4,47.26 v1(63.17,47.26) ; v1(120.32,66.31) 120.55,66.31 122.15,67.9 v1(122.15,68.15) ; J1#39.11 239.38,71.1 238.52,70.24 238.52,68.23 v1(239.03,67.72) ; v1(44.12,47.26) 44.35,47.26 45.95,48.85 v1(45.95,49.1) ; J1#49.11 296.52,33 295.67,32.14 295.67,30.13 v1(296.18,29.62) ; v1(177.47,28.21) 177.7,28.21 179.3,29.8 v1(179.3,30.05) ; J1#42.11 182.22,13.95 181.37,13.09 181.37,11.08 v1(181.88,10.57) ; J1#18.11 182.22,90.15 181.37,89.29 181.37,87.28 v1(181.88,86.77) ; v1(26.9,11) 26.9,10.75 25.3,9.16 v1(25.07,9.16) ; J1#65.11 67.92,71.1 67.07,70.24 67.07,68.23 v1(67.58,67.72) ; v1(122.15,87.2) 122.15,86.95 120.55,85.36 v1(120.32,85.36) ; v1(29.48,48.67) 28.97,49.18 28.97,51.19 29.83,52.05 J1#43.11 ; v1(10.43,67.72) 9.92,68.23 9.92,70.24 10.77,71.1 J1#77.11 ; v1(143.78,48.67) 143.27,49.18 143.27,51.19 144.12,52.05 J1#15.11 ; J1#25.11 163.18,90.15 162.32,89.29 162.32,87.28 v1(162.83,86.77) ; v1(217.4,68.15) 217.4,67.9 215.8,66.31 v1(215.57,66.31) ; J1#11.11 125.07,13.95 124.22,13.09 124.22,11.08 v1(124.73,10.57) ; v1(48.53,10.57) 48.02,11.08 48.02,13.09 48.88,13.95 J1#55.11 ; v1(234.62,85.36) 234.85,85.36 236.45,86.95 v1(236.45,87.2) ; J1#57.11 67.92,13.95 67.07,13.09 67.07,11.08 v1(67.58,10.57) ; J1#59.11 106.03,13.95 105.17,13.09 105.17,11.08 v1(105.68,10.57) ; v1(179.3,68.15) 179.3,67.9 177.7,66.31 v1(177.47,66.31) ; v1(139.37,9.16) 139.6,9.16 141.2,10.75 v1(141.2,11) ; v1(122.15,49.1) 122.15,48.85 120.55,47.26 v1(120.32,47.26) ; v1(162.83,10.57) 162.32,11.08 162.32,13.09 163.18,13.95 J1#68.11 ; v1(124.73,29.62) 124.22,30.13 124.22,32.14 125.07,33 J1#6.11 ; v1(253.67,9.16) 253.9,9.16 255.5,10.75 v1(255.5,11) ; J1#41.11 10.77,13.95 9.92,13.09 9.92,11.08 v1(10.43,10.57) ; v1(25.07,85.36) 25.3,85.36 26.9,86.95 v1(26.9,87.2) ; J1#47.11 29.83,90.15 28.97,89.29 28.97,87.28 v1(29.48,86.77) ; v1(7.85,68.15) 7.85,67.9 6.25,66.31 v1(6.02,66.31) ; v1(258.08,48.67) 257.57,49.18 257.57,51.19 258.43,52.05 J1#66.11 ; v1(255.5,68.15) 255.5,67.9 253.9,66.31 v1(253.67,66.31) ; v1(217.4,49.1) 217.4,48.85 215.8,47.26 v1(215.57,47.26) ; v1(26.9,49.1) 26.9,48.85 25.3,47.26 v1(25.07,47.26) ; v1(179.3,49.1) 179.3,48.85 177.7,47.26 v1(177.47,47.26) ; v1(63.17,85.36) 63.4,85.36 65,86.95 v1(65,87.2) ; v1(6.02,85.36) 6.25,85.36 7.85,86.95 v1(7.85,87.2) ; v1(177.47,85.36) 177.7,85.36 179.3,86.95 v1(179.3,87.2) ; J1#12.11 10.77,52.05 9.92,51.19 9.92,49.18 v1(10.43,48.67) ; v1(25.07,28.21) 25.3,28.21 26.9,29.8 v1(26.9,30.05) ; J1#36.11 125.07,52.05 124.22,51.19 124.22,49.18 v1(124.73,48.67) ; J1#67.11 182.22,52.05 181.37,51.19 181.37,49.18 v1(181.88,48.67) ; v1(179.3,11) 179.3,10.75 177.7,9.16 v1(177.47,9.16) ; v1(274.55,68.15) 274.55,67.9 272.95,66.31 v1(272.72,66.31) ; J1#70.11 67.92,52.05 67.07,51.19 67.07,49.18 v1(67.58,48.67) ; J1#24.11 277.48,13.95 276.62,13.09 276.62,11.08 v1(277.13,10.57) ; J1#46.11 258.43,13.95 257.57,13.09 257.57,11.08 v1(258.08,10.57) ; v1(253.67,85.36) 253.9,85.36 255.5,86.95 v1(255.5,87.2) ; v1(200.93,48.67) 200.42,49.18 200.42,51.19 201.28,52.05 J1#64.11 ; v1(45.95,11) 45.95,10.75 44.35,9.16 v1(44.12,9.16) ; v1(6.02,47.26) 6.25,47.26 7.85,48.85 v1(7.85,49.1) ; v1(160.25,87.2) 160.25,86.95 158.65,85.36 v1(158.42,85.36) ; v1(82.22,28.21) 82.45,28.21 84.05,29.8 v1(84.05,30.05)
